# Allegro board pc069b_toplevel_18.brd (continued)
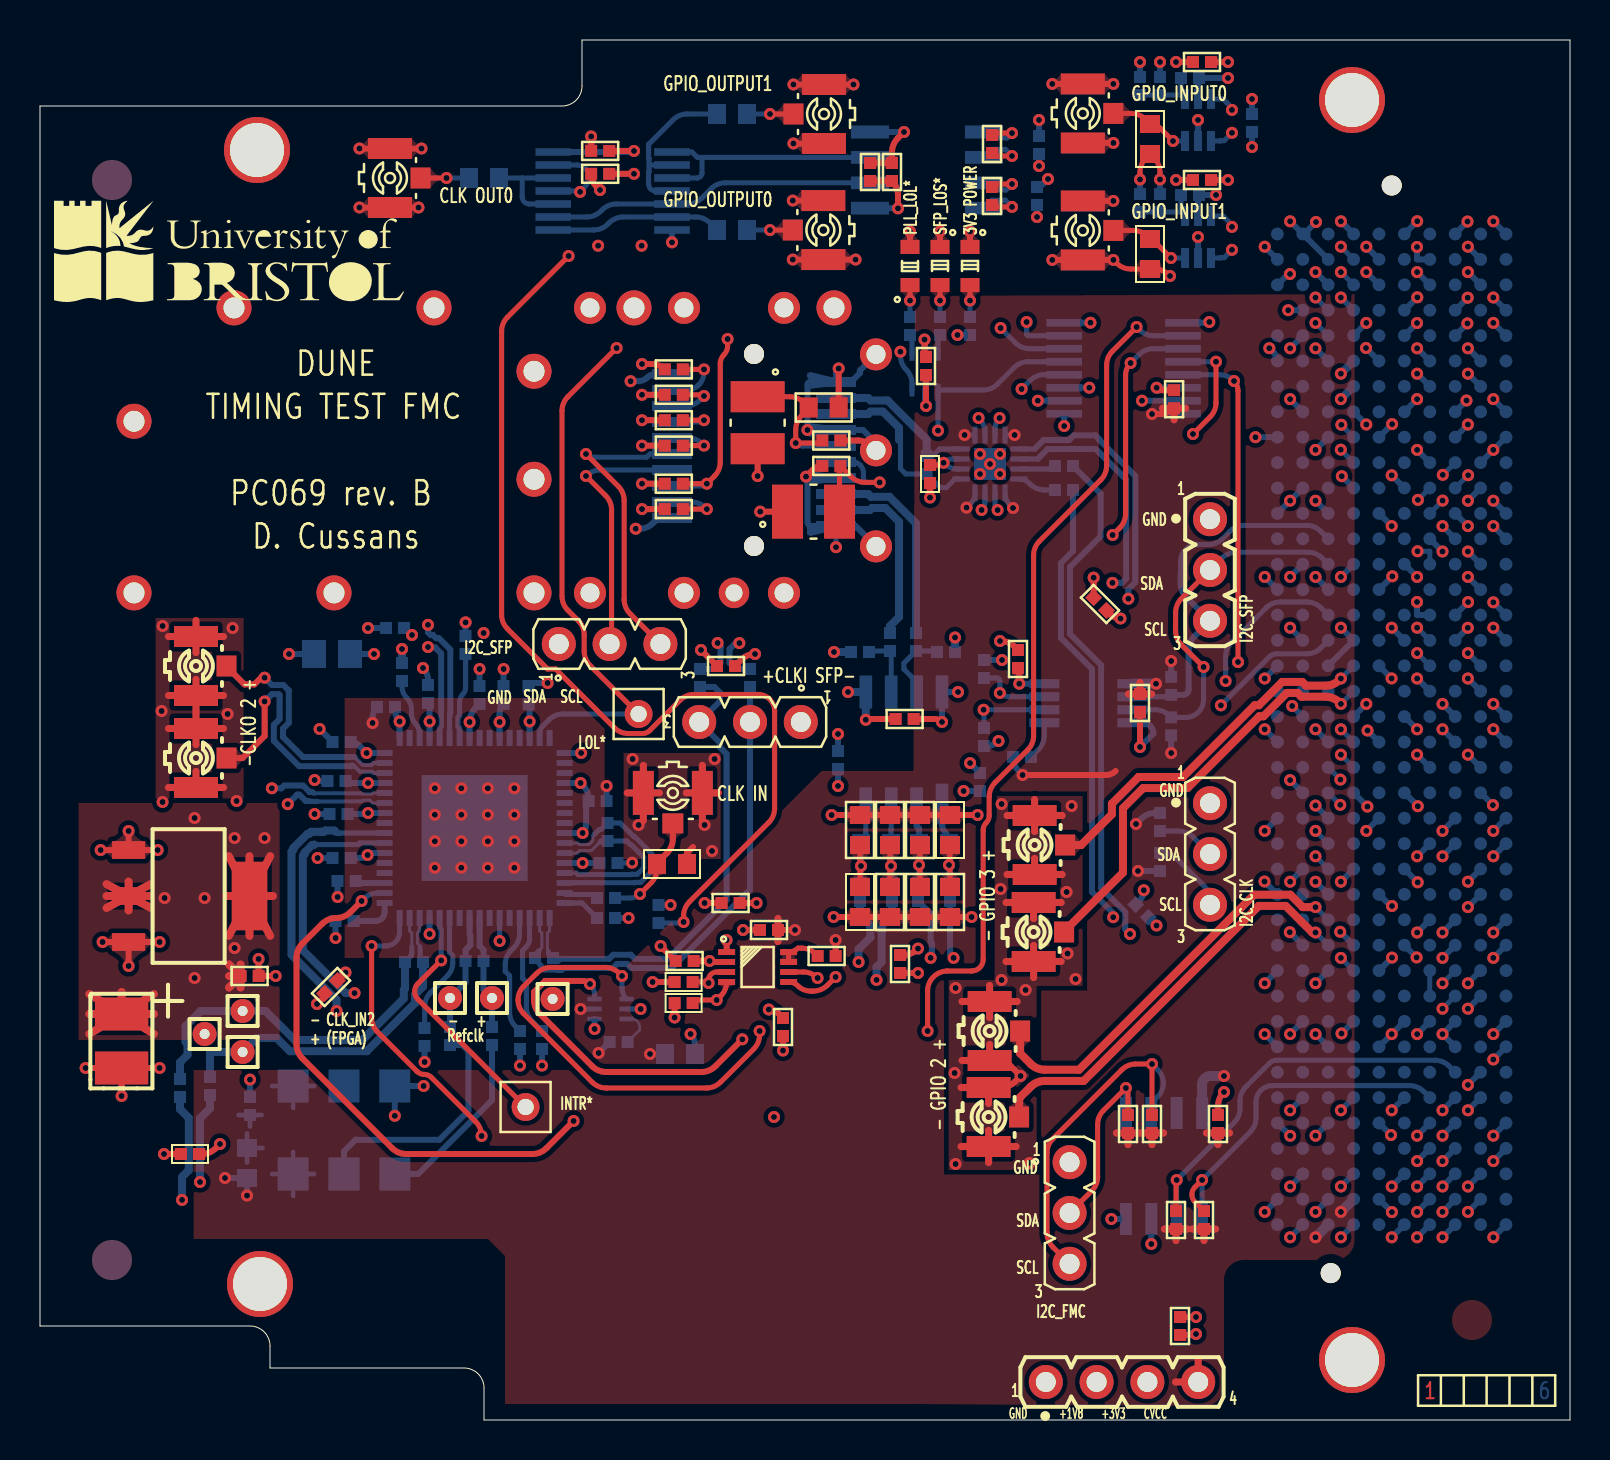
[diagram p0: board, top side]
## Routing (per net, layer and track width the routed paths; a pad name or vN(x,y) marks a point on that pad's centre or on a via; arc(x,y) is an arc through that point) (continued)
CLK0_M2C_N: length 75.6
  L4_SIGN w0.3: v1(12.39,30.79) 12.39,31.27 12.94,31.82 12.94,32.34 12.78,32.5 12.78,34.21 14.07,35.5 20,35.5 21.4,36.9 21.4,37.79 21.74,38.13 22.94,38.13 23.5,38.69 23.5,43.2 23.8,43.5 33.67,43.5 34.48,44.31 34.48,47.74 37.62,50.87 43.65,50.87 44.06,51.28 46.5,51.28 48.82,53.6 49.01,53.6 49.01,53.6 59.63,53.6 62.1,56.07 62.65,56.07 63.18,55.53 63.18,55.45 v1(63.77,54.85)
  BOTTOM w0.15: 16.05,30.93 16.07,30.93 16.12,30.98 16.19,30.98 16.21,30.99 16.48,30.99 16.63,30.85 IC3.27
  BOTTOM w0.2: 13.85,30.93 16.05,30.93
  BOTTOM w0.254: 13.85,30.93 13.85,30.93 13.52,30.93 13.45,30.93 13.44,30.95 ; P1.H5 v1(63.77,54.85)
  BOTTOM w0.3: v1(12.39,30.79) 12.86,31.27 12.97,31.27 13.29,30.95 13.44,30.95
CLK0_M2C_P: length 76.3
  L4_SIGN w0.3: v1(11.59,31.59) 12.07,31.59 12.49,32.01 12.49,32.15 12.33,32.31 12.33,34.4 13.89,35.96 19.82,35.96 20.95,37.09 20.95,37.98 21.55,38.58 22.75,38.58 23.05,38.88 23.05,43.38 23.61,43.95 33.48,43.95 34.03,44.5 34.03,47.92 37.43,51.32 43.47,51.32 43.87,51.73 46.31,51.73 48.63,54.05 59.44,54.05 61.91,56.52 62.84,56.52 63.23,56.12 v1(63.77,56.12)
  BOTTOM w0.15: 16.05,31.34 16.09,31.3 16.59,31.3 16.65,31.35 IC3.28
  BOTTOM w0.2: 13.69,31.34 16.05,31.34
  BOTTOM w0.254: 13.62,31.4 13.69,31.34 ; P1.H4 v1(63.77,56.12)
  BOTTOM w0.3: v1(11.59,31.59) 12.07,31.59 12.2,31.72 13.16,31.72 13.48,31.4 13.62,31.4
CLK1_M2C_N: length 69.1
  L4_SIGN w0.3: v1(19.4,38.65) 19.4,38.74 20.21,39.54 20.21,40.87 20.51,41.17 20.55,41.17 20.6,41.22 20.6,52.94 24.56,56.9 36.03,56.9 36.03,56.89 42,56.89 43.04,57.93 48.09,57.93 49.97,56.05 60.43,56.05 62.36,57.97 64.01,57.97 64.23,57.75 64.69,57.75 v1(65.04,57.4)
  BOTTOM w0.254: IC3.37 19.98,34.58 20.07,34.66 20.07,35.17 20.06,35.18 20.06,35.36 ; P1.G3 v1(65.04,57.4)
  BOTTOM w0.3: 20.06,35.36 20.06,38.33 19.76,38.63 19.42,38.63 v1(19.4,38.65)
CLK1_M2C_P: length 70
  L4_SIGN w0.3: v1(19.4,39.76) 19.6,39.76 19.65,39.81 19.65,41.1 20.05,41.49 20.05,53.17 24.33,57.45 36.25,57.45 36.26,57.44 41.77,57.44 42.81,58.48 48.32,58.48 50.2,56.6 60.2,56.6 62.13,58.53 64.24,58.53 64.46,58.31 64.69,58.31 v1(65.04,58.66)
  BOTTOM w0.254: IC3.38 20.48,35.17 20.49,35.18 20.49,35.3 20.52,35.32 20.52,35.36 ; P1.G2 v1(65.04,58.66)
  BOTTOM w0.3: 20.52,35.36 20.52,38.52 19.95,39.09 19.81,39.09 19.65,39.25 19.54,39.25 19.4,39.39 v1(19.4,39.76)
CLK_I2C_SEL: length 4.3
  BOTTOM w0.254: R13.1 21.28,36.64 arc(21.24,36.44) 21.13,36.28 arc(21.02,36.11) 20.98,35.91 20.98,35.22 20.9,35.14 20.9,34.66 20.98,34.58 IC3.39
CLK_IN0_N: length 1.9
  BOTTOM w0.254: C26.2 27.1,25.85 IC3.64
CLK_IN0_P: length 1.7
  BOTTOM w0.254: C23.2 27.67,26.28 26.28,26.28 26.23,26.33 IC3.63
CLK_IN1_N: length 25.2
  BOTTOM w0.15: IC3.2 24.98,24.46 25.09,24.35 25.09,23.61 24.96,23.48
  BOTTOM w0.254: 25.88,22.5 25.22,22.5 25.05,22.67 25.05,22.73 24.75,23.03 R11.1 24.75,23.27 24.96,23.48
  BOTTOM w0.3: C27.2 J3.2 35.5,26.52 31.58,22.6 29.55,22.6 29.35,22.8 28.85,22.8 28.65,22.6 26.18,22.6 26.08,22.5 25.88,22.5
CLK_IN1_P: length 24.9
  BOTTOM w0.15: IC3.1 25.48,24.46 25.37,24.35 25.37,23.5 25.42,23.45 25.42,23.44
  BOTTOM w0.254: 25.65,23.01 R11.2 25.42,23.33 25.42,23.44
  BOTTOM w0.3: 25.65,23.01 25.7,22.96 25.88,22.96 25.99,23.06 28.46,23.06 28.66,23.26 29.54,23.26 29.74,23.06 31.39,23.06 34.33,26 34.33,33.3 34,33.63 34,33.86 J3.3 34,35.94 34,36.37 33.72,36.65 C24.2
CLK_IN2_N: length 19.8
  BOTTOM w0.15: 18.59,23.65 18.59,24.35 18.48,24.46 IC3.15
  BOTTOM w0.254: 18.59,23.65 18.59,23.33 18.57,23.32 18.57,23.22 R8.2
  BOTTOM w0.4: R8.2 18.25,21.56 18.19,21.5 18.19,21.08 16.11,19 12.73,19 11.28,20.45 TP5.1 8.03,20.45 7.28,19.69 7.28,18.91 7.38,18.8 7.38,18.26 7,17.88 C28.2
CLK_IN2_P: length 17.6
  BOTTOM w0.15: 19,23.65 19,23.71 18.87,23.84 18.87,24.35 18.95,24.43 18.95,24.52 18.98,24.55 IC3.14
  BOTTOM w0.254: 19,23.65 19,23.05 R8.1
  BOTTOM w0.4: R8.1 19.15,21.67 18.75,21.27 18.75,20.85 16.34,18.44 12.5,18.44 11.83,19.1 10.83,19.1 TP4.1 8.55,18.4 8.5,18.35 C22.2
CLK_OE*: length 6.1
  BOTTOM w0.254: IC3.11 20.48,23.38 20.64,23.22 20.64,22.85 arc(20.57,22.51) 20.38,22.22 19.52,21.37 arc(19.31,21.04) 19.23,20.66 R10.1
CLK_RSTB: length 88.2
  TOP w0.254: v1(32.18,24.9) 32.18,25.2 arc(32.26,25.59) 32.47,25.91 36.44,29.88 arc(36.65,30.2) 36.73,30.58 36.73,35.45 arc(36.49,36.04) 35.9,36.28 32.7,36.28 arc(32.32,36.2) 32,35.98 30.48,34.47 arc(30.32,34.36) 30.13,34.32 29.42,34.32 arc(29.04,34.4) 28.71,34.62 25.78,37.55 25.38,37.55 23.37,39.56 arc(23.16,39.88) 23.08,40.26 23.08,54.44 arc(23.16,54.82) 23.37,55.14 v1(26.43,58.2)
  L3_SIGN w0.254: v1(49.33,54.9) 45.92,58.31 arc(45.6,58.52) 45.22,58.6 37.61,58.6 arc(37.42,58.56) 37.25,58.45 37.04,58.24 arc(36.72,58.03) 36.34,57.95 27.03,57.95 arc(26.71,58.01) v1(26.43,58.2) ; v1(22.98,23.95) 29.39,23.95 arc(29.77,24.03) 30.09,24.24 30.46,24.61 arc(30.78,24.82) 31.16,24.9 v1(32.18,24.9)
  BOTTOM w0.254: IC3.6 v1(22.98,23.95) ; 51.21,54.22 49.41,54.22 arc(49.35,54.24) 49.33,54.3 v1(49.33,54.9) ; R16.1 32.13,24.85 v1(32.18,24.9)
CLK_SCL: length 36.4
  TOP w0.254: v1(16.58,23.7) 16.58,20.11 arc(16.66,19.73) 16.87,19.41 18.85,17.43 arc(19.02,17.32) 19.21,17.28 arc(19.4,17.24) 19.57,17.13 21.79,14.91 arc(22,14.59) 22.08,14.2 v1(22.08,14.2) ; IC1.3 33.83,22.4 arc(33.55,22.28) 33.43,22 v1(33.43,21.85) 33.38,21.9 R41.2
  L3_SIGN w0.254: v1(33.43,21.85) 34.38,21.85 arc(34.41,21.84) 34.43,21.8 34.43,16.31 arc(34.35,15.93) 34.13,15.6 33.02,14.49 arc(32.7,14.28) 32.32,14.2 v1(22.08,14.2)
  BOTTOM w0.254: v1(16.58,23.7) 17.28,23.7 arc(17.78,23.9) 17.98,24.4 IC3.16
CLK_SDA: length 41.6
  TOP w0.254: IC1.4 arc(34.26,21.53) 34.04,21.21 v1(33.83,21) 32.99,21 arc(32.8,20.96) R40.2
  TOP w0.3: v1(16.08,25.95) 15.52,25.39 arc(15.2,25.18) 14.82,25.1 14.81,25.1 arc(14.43,25.02) 14.11,24.81 13.12,23.82 arc(12.9,23.49) 12.82,23.11 12.82,18.79 arc(12.9,18.41) 13.12,18.08 17.61,13.59 arc(17.93,13.38) 18.31,13.3 24.62,13.3 arc(25,13.38) 25.32,13.59 v1(26.68,14.95)
  L3_SIGN w0.254: v1(33.83,21) 33.83,16.82 arc(33.76,16.44) 33.54,16.11 32.67,15.24 arc(32.35,15.03) 31.97,14.95 v1(26.68,14.95)
  BOTTOM w0.254: IC3.18 16.89,26.35 arc(16.51,26.27) 16.19,26.06 v1(16.08,25.95)
CTRLVCC: length 0.9
  BOTTOM w0.3: P1.D32 v1(68.85,19.3)
CVCC: length 42.6
  TOP w0.3: v1(39.78,24) R1.2 ; C17.2 v1(37.75,24.5) ; v1(55.6,50.3) 56,50.3 arc(56.38,50.38) C61.2 ; v1(49.13,32.25) 53.3,32.25 arc(53.56,32.3) 53.78,32.45
  TOP w0.354: R39.2 54.98,14.35 ; R39.2 54.4,13.77 ; R39.2 53.82,14.35 ; 36.9,23.92 C17.2 36.9,25.08 ; 55.6,13.77 R103.2 ; R103.2 55.02,14.35 ; R103.2 56.18,14.35 ; 56.8,8.97 R138.2 ; R138.2 57.38,9.55 ; R138.2 56.22,9.55 ; R1328.2 58.78,9.55 ; R1328.2 58.2,8.97 ; R1328.2 57.62,9.55 ; C61.2 57.28,50.59 ; C61.2 56.13,50.59 ; C61.2 56.7,50.01 ; 56.78,1.9 J11.4 57.91,3.03 ; 54.42,36.3 C16.2 ; C16.2 55,36.88 ; C16.2 55.58,36.3 ; 58.32,14.35 C18.2 ; C18.2 59.48,14.35 ; C18.2 58.9,13.77
  BOTTOM w0.254: v1(46.33,45.62) 46.53,45.83 arc(46.69,46.07) IC4.16 ; IC4.5 v1(46.23,49.25) ; v1(48.65,45.6) 48.5,45.76 arc(48.31,46.03) IC4.13 ; IC11.5 v1(27.03,20.55) ; IC4.8 v1(48.73,49.25)
  BOTTOM w0.3: R42.2 48.65,33.14 arc(48.73,32.76) 48.94,32.44 v1(49.13,32.25) ; v1(54.8,29.8) 55.06,30.06 arc(55.38,30.27) 55.76,30.35 R242.2 ; R43.2 v1(54.9,27.45) ; v1(10.35,11.22) L3.1 v1(9.25,12.1) ; C42.2 v1(30.5,18.3) ; R142.2 v1(56.56,33.35) ; IC10.16 55.61,50.31 ; R143.2 v1(56.56,37.95) ; R61.2 v1(27.93,18.35)
  BOTTOM w0.5: P1.H40 v1(63.77,9.13) ; IC2.8 58.1,16.78 arc(58.23,17.08) 58.52,17.2 v1(59.2,17.2) ; IC15.1 v1(55.8,36.81) ; 55.61,50.31 v1(55.6,50.3) ; P1.G39 v1(65.04,10.41)
F_GPIO_OUT0_N: length 28.1
  TOP w0.254: v1(48.6,60.65) 47.75,60.65 47.65,60.75 R45.1
  L3_SIGN w0.2: v1(65.04,48.52) 64.65,48.92 64.18,48.93 63.77,49.35 62.35,49.35 60.43,51.27 60.43,51.37 60.52,51.46 60.52,55.24 56.27,59.49 50.97,59.49 50.4,60.06 50.4,60.38 49.73,61.05 49,61.05 v1(48.6,60.65)
  BOTTOM w0.254: IC8.4 47.6,60.99 48.26,60.99 v1(48.6,60.65) ; P1.G10 65.04,48.51 v1(65.04,48.52)
F_GPIO_OUT0_P: length 27.6
  TOP w0.254: v1(48.6,61.8) 47.75,61.8 R45.2
  L3_SIGN w0.2: v1(65.07,49.76) 63.99,49.76 63.96,49.8 62.54,49.8 60.88,51.46 60.88,55.39 56.42,59.85 51.12,59.85 50.76,60.21 50.76,60.53 49.88,61.41 48.99,61.41 v1(48.6,61.8)
  BOTTOM w0.254: IC8.3 47.56,61.5 48.3,61.5 v1(48.6,61.8) ; P1.G9 65.07,49.75 v1(65.07,49.76)
F_GPIO_OUT1_N: length 69
  TOP w0.254: R46.1 47.7,64.35 v1(48.6,64.35)
  L4_SIGN w0.2: v1(48.6,64.35) 48.95,64 50.5,64 51.37,63.13 55.57,63.13 55.68,63.02 66.28,63.02 66.61,63.35 71.85,63.35 74.62,60.58 74.62,33.82 72.02,31.22 65.47,31.22 v1(65.01,30.76)
  BOTTOM w0.254: P1.H23 v1(65.01,30.76) ; v1(48.6,64.35) 48.35,64.1 47.5,64.1 IC8.1
F_GPIO_OUT1_P: length 67.6
  TOP w0.254: R46.2 47.75,63.2 v1(48.6,63.2)
  L4_SIGN w0.2: v1(65.02,32.02) 65.37,31.67 71.83,31.67 74.16,34.01 74.16,60.39 71.66,62.9 66.8,62.9 66.47,62.57 55.49,62.57 55.38,62.68 51.18,62.68 50.31,63.55 48.95,63.55 v1(48.6,63.2)
  BOTTOM w0.254: IC8.2 47.6,63.53 48.27,63.53 v1(48.6,63.2) ; P1.H22 v1(65.02,32.02)
F_SFP_N: length 8.1
  BOTTOM w0.254: IC4.4 44.98,48.55 44.63,48.2 R60.1
  BOTTOM w0.4: R60.1 44.33,49.03 42.38,50.98 41.53,50.98 41.41,51.1 J4.12
F_SFP_P: length 9.2
  BOTTOM w0.254: 42.95,49 42.95,48.97 43.02,48.9 43.02,47.57 43.29,47.3 R60.2 45.01,46.62 45.32,46.62 45.75,47.05 IC4.1
  BOTTOM w0.4: J4.13 41.41,50.3 41.53,50.42 42.14,50.42 42.95,49.61 42.95,49
FMC_GA0: length 20.7
  TOP w0.254: v1(56.83,12) 56.8,11.96 R138.1
  BOTTOM w0.254: IC2.2 v1(56.83,12) 59.71,14.87 arc(59.92,15.2) 60,15.58 60,15.95 arc(60.08,16.34) 60.29,16.66 61.48,17.84 arc(61.64,17.95) 61.83,17.99 69.75,17.99 arc(70.13,17.91) 70.45,17.7 P1.C34
FMC_GA1: length 18.3
  TOP w0.254: v1(58.1,12) 57.75,11.64 arc(57.64,11.47) 57.6,11.27 arc(57.64,11.07) 57.75,10.9 R1328.1
  BOTTOM w0.254: P1.D35 69.18,16.43 arc(68.86,16.64) 68.48,16.72 61.62,16.72 arc(61.04,16.48) 60.8,15.9 60.8,15.11 arc(60.72,14.73) 60.51,14.4 v1(58.1,12) IC2.1
FMC_SCL: length 78.6
  TOP w0.254: v1(29.1,22.2) 28.97,22.33 arc(28.64,22.55) 28.26,22.63 25.54,22.63 arc(25.16,22.55) 24.83,22.33 24.18,21.68 arc(23.97,21.37) 23.9,21 arc(23.97,20.63) 24.18,20.32 27.61,16.89 arc(27.93,16.68) 28.31,16.6 33.32,16.6 arc(33.7,16.68) 34.03,16.89 35.69,18.55 arc(35.9,18.88) 35.98,19.26 v1(35.98,19.45) ; R103.1 v1(55.6,17.8) 54.79,17.8 arc(54.41,17.72) 54.09,17.51 50.64,14.06 arc(50.43,13.74) 50.35,13.36 50.35,9.35 arc(50.43,8.97) 50.64,8.65 J6.3
  L3_SIGN w0.254: v1(35.98,19.45) 39.44,19.45 arc(39.82,19.37) 40.14,19.16 40.61,18.69 arc(40.93,18.48) 41.31,18.4 54.59,18.4 arc(54.97,18.32) 55.29,18.11 v1(55.6,17.8) 57.19,17.8 arc(57.57,17.88) 57.89,18.09 60.71,20.91 arc(61.03,21.12) 61.41,21.2 69.08,21.2 arc(69.46,21.28) 69.78,21.49 v1(70.12,21.84)
  BOTTOM w0.254: v1(55.6,17.8) 55.9,17.5 arc(56.1,17.2) 56.17,16.84 arc(56.1,16.48) 55.9,16.18 55.86,16.14 arc(55.64,15.82) 55.56,15.44 IC2.6 ; v1(29.1,22.2) 29.1,21.61 arc(29.16,21.3) IC11.1 ; P1.C30 v1(70.12,21.84)
FMC_SDA: length 65.7
  TOP w0.254: J6.2 52.59,11.46 arc(52.8,11.78) 52.88,12.16 52.88,14.77 arc(52.96,15.15) 53.17,15.48 v1(54.29,16.6) 54.4,16.49 R39.1
  TOP w0.3: v1(35.11,19.04) 33.77,17.69 arc(33.45,17.48) 33.07,17.4 28.31,17.4 arc(27.93,17.48) 27.61,17.69 24.98,20.32 arc(24.77,20.63) 24.7,21 24.7,21.4 25.26,21.95 27.13,21.95 arc(27.33,21.91) v1(27.5,21.8)
  L3_SIGN w0.254: v1(70.12,20.57) 62.08,20.57 arc(61.7,20.49) 61.37,20.27 57.99,16.89 arc(57.67,16.68) 57.29,16.6 v1(54.29,16.6) 37.36,16.6 arc(36.98,16.68) 36.65,16.89 35.41,18.14 arc(35.19,18.46) 35.11,18.84 v1(35.11,19.04)
  BOTTOM w0.254: P1.C31 v1(70.12,20.57) ; v1(54.29,16.6) IC2.5 ; IC11.6 27.73,21.25 arc(27.67,21.55) v1(27.5,21.8)
FPGA_CLK_RST: length 65.7
  TOP w0.254: v1(54.83,54.65) 53.62,53.44 arc(53.41,53.12) 53.33,52.74 53.33,47.71 arc(53.25,47.33) 53.04,47.01 49.97,43.94 arc(49.76,43.62) 49.68,43.24 49.68,34.21 arc(49.6,33.83) 49.39,33.51 47.75,31.87 arc(47.54,31.55) 47.46,31.16 47.46,30.22 arc(47.42,30.03) 47.31,29.86 arc(47.2,29.69) 47.16,29.5 47.16,23.03 arc(46.99,22.62) 46.58,22.45 45.38,22.45 arc(44.67,22.16) 44.38,21.45 v1(44.38,19.45)
  L3_SIGN w0.254: v1(44.38,19.45) 57.17,19.45 arc(57.55,19.53) 57.87,19.74 60.94,22.81 arc(61.27,23.03) 61.65,23.11 v1(65.04,23.11)
  BOTTOM w0.254: P1.G30 v1(65.04,23.11) ; 57.15,54.22 55.68,54.22 arc(55.3,54.29) 54.97,54.51 v1(54.83,54.65)
FPGA_CLK_SCL: length 47.6
  TOP w0.254: IC1.6 38.17,22.4 arc(38.55,22.32) 38.87,22.11 v1(38.88,22.1)
  L3_SIGN w0.254: v1(38.88,22.1) 40.17,20.81 arc(40.5,20.59) 40.88,20.52 53.05,20.52 arc(53.24,20.55) 53.4,20.66 J8.3 59.61,26.87 arc(59.82,27.19) 59.9,27.57 59.9,35.92 arc(59.82,36.3) 59.61,36.62 v1(59.28,36.95)
  BOTTOM w0.254: P1.H16 64.05,40.61 arc(63.73,40.82) 63.35,40.9 62.01,40.9 arc(61.63,40.82) 61.31,40.61 59.57,38.87 arc(59.36,38.55) 59.28,38.17 v1(59.28,36.95) ; R43.1 56.14,28.35 arc(56.52,28.27) 56.85,28.06 58.21,26.7 arc(58.42,26.37) 58.5,25.99 J8.3
FPGA_CLK_SDA: length 44
  TOP w0.254: v1(39.78,22.15) 39.37,21.74 arc(39.04,21.52) 38.66,21.45 38.53,21.45 arc(38.19,21.51) 37.9,21.71 arc(37.68,21.85) IC1.5
  L3_SIGN w0.254: v1(59.05,35.73) 57.66,34.35 arc(57.45,34.03) 57.37,33.64 57.37,29.84 arc(57.45,29.46) 57.66,29.14 J8.2 56.92,26.72 arc(56.71,26.4) 56.63,26.02 56.63,25.04 arc(56.55,24.65) 56.34,24.33 53.22,21.21 arc(52.9,21) 52.52,20.92 41.42,20.92 arc(41.04,21) 40.72,21.21 v1(39.78,22.15)
  BOTTOM w0.254: R242.1 56.94,29.45 arc(57.32,29.37) 57.64,29.16 J8.2 ; v1(59.05,35.73) 61.48,38.16 arc(61.64,38.27) 61.83,38.31 63.33,38.31 arc(63.72,38.39) 64.04,38.6 64.41,38.97 P1.H17
FPGA_SFP_LOS: length 20.6
  TOP w0.254: v1(57.65,49.3) 58.51,50.16 arc(58.72,50.48) 58.8,50.86 v1(58.8,52.91)
  L3_SIGN w0.254: v1(57.65,49.3) 63.22,43.73 arc(63.54,43.51) 63.93,43.44 v1(68.88,43.44)
  BOTTOM w0.254: P1.D14 69.49,43.43 arc(69.49,43.43) 69.48,43.44 v1(68.88,43.44) ; IC10.12 v1(58.8,52.91)
FPGA_SFP_SCL: length 18.8
  BOTTOM w0.254: P1.H13 64.03,44.44 arc(63.71,44.65) 63.32,44.73 60.2,44.73 arc(59.82,44.65) 59.49,44.44 59.12,44.06 arc(58.8,43.85) 58.41,43.77 57.87,43.77 arc(57.28,43.52) 57.03,42.93 57.03,42.3 ; IC15.2 56.46,36.16 R143.1
  BOTTOM w0.3: 57.03,42.3 57.03,41.84 arc(57.11,41.46) 57.32,41.14 J10.3 57.72,39.18 arc(57.51,38.86) 57.43,38.48 57.43,36.53 arc(57.35,36.34) 57.16,36.26 R143.1
FPGA_SFP_SDA: length 18.3
  TOP w0.254: J10.2 57.07,41.07 arc(56.86,40.75) 56.78,40.37 56.78,39.46 arc(56.86,39.08) 57.07,38.76 v1(58.18,37.65)
  BOTTOM w0.254: P1.H14 64.1,43.1 arc(63.78,43.31) 63.4,43.39 59.8,43.39 arc(59.42,43.31) 59.1,43.1 J10.2 ; v1(58.18,37.65) 58.18,36.03 arc(57.92,35.39) 57.28,35.13 R142.1 56.47,35.22 arc(56.14,35.44) 55.76,35.51 IC15.3
FPGA_SFP_TX_DIS: length 29.7
  TOP w0.254: v1(53.63,44.25) 53.99,44.61 arc(54.2,44.93) 54.28,45.31 54.28,52.25 arc(54.34,52.57) v1(54.53,52.85)
  L3_SIGN w0.254: v1(53.63,44.25) 56.22,41.66 arc(56.54,41.45) 56.92,41.37 66.68,41.37 arc(67.07,41.29) 67.39,41.08 v1(68.85,39.62)
  BOTTOM w0.254: P1.D17 v1(68.85,39.62) ; IC10.11 55.66,53.56 arc(55.28,53.49) 54.95,53.27 v1(54.53,52.85)
FPGA_SFP_TX_FLT: length 26.7
  TOP w0.254: v1(59.9,37.9) 59.9,51.47 arc(59.85,51.73) v1(59.7,51.95)
  L3_SIGN w0.254: v1(68.85,38.34) 60.76,38.34 arc(60.38,38.27) 60.05,38.05 v1(59.9,37.9)
  BOTTOM w0.254: v1(59.7,51.95) 59.68,51.97 arc(59.35,52.19) 58.97,52.27 IC10.13 ; P1.D18 v1(68.85,38.34)
GPIO_IN0_N: length 29.6
  L3_SIGN w0.2: v1(71.41,47.24) 71.01,47.64 71.01,48.13 70.73,48.41 70.73,61.47 68.1,64.1 64.81,64.1 63.75,65.16 59.94,65.16 v1(59.6,65.5)
  BOTTOM w0.254: IC6.6 59.15,66.05 59.6,65.6 v1(59.6,65.5) ; v1(71.41,47.24) 71.4,47.24 P1.C11
GPIO_IN0_P: length 28.6
  L3_SIGN w0.2: v1(59.6,64.36) 59.94,64.7 63.56,64.7 64.62,63.64 67.91,63.64 70.28,61.28 70.28,48.22 70.55,47.94 70.55,47.66 v1(70.14,47.26)
  BOTTOM w0.254: v1(59.6,64.36) 59.21,63.97 59.02,63.97 59,63.95 IC6.1 ; P1.C10 70.15,47.26 v1(70.14,47.26)
GPIO_IN1_N: length 26.5
  L3_SIGN w0.2: v1(59.6,59.65) 59.94,59.31 60.46,59.31 62.09,60.94 66.06,60.94 67.85,59.15 67.85,51.19 68.7,50.34 68.7,49.13 68.3,48.73 68.3,48.28 68.63,47.95 68.66,47.95 69.75,46.86 69.75,46.35 v1(70.13,45.97)
  BOTTOM w0.254: v1(59.6,59.65) 59.6,59.75 59.15,60.2 IC7.6 ; v1(70.13,45.97) P1.D12
GPIO_IN1_P: length 25.6
  L3_SIGN w0.2: v1(68.89,46.01) 69.3,46.41 69.3,46.68 68.47,47.5 68.44,47.5 67.85,48.09 67.85,48.92 68.25,49.32 68.25,50.15 67.4,51 67.4,58.96 65.87,60.49 62.28,60.49 60.64,58.85 59.94,58.85 v1(59.6,58.51)
  BOTTOM w0.254: v1(59.6,58.51) 59.21,58.12 59.02,58.12 59,58.1 IC7.1 ; v1(68.89,46.01) P1.D11
GPIO_IO2_N: length 21.1
  TOP w0.4: v1(63.77,24.38) 63.61,24.38 62.28,25.7 60.93,25.7 52.19,16.95 50.24,16.95 arc(49.86,16.88) 49.53,16.66 48.95,16.08 48.95,15.15
  BOTTOM w0.254: P1.H29 v1(63.77,24.38)
GPIO_IO2_P: length 21
  TOP w0.4: J2.1 49,18.34 49.53,17.81 arc(49.86,17.59) 50.24,17.51 51.95,17.51 60.7,26.26 62.52,26.26 63.13,25.64 v1(63.77,25.64)
  BOTTOM w0.254: P1.H28 v1(63.77,25.64)
GPIO_IO3_N: length 21.8
  TOP w0.4: v1(65.04,35.8) 64.98,35.87 arc(64.65,36.09) 64.27,36.16 63.07,36.16 62.88,36.35 62.34,36.35 61.17,35.19 60.96,35.19 57.38,31.6 55.16,31.6 54.15,30.59 54.15,27.37 51.2,24.43 J15.1
  BOTTOM w0.254: P1.G19 v1(65.04,35.8)
GPIO_IO3_P: length 18.6
  TOP w0.4: v1(65.04,37.08) 64.98,37.01 arc(64.65,36.79) 64.27,36.72 63.3,36.72 63.11,36.9 62.11,36.9 60.95,35.74 60.74,35.74 57.15,32.15 54.93,32.15 53.6,30.82 53.6,30.29 52.06,28.75 J14.1
  BOTTOM w0.254: P1.G18 v1(65.04,37.08)
IN_SEL0: length 6.1
  BOTTOM w0.254: IC3.3 24.48,24.07 arc(24.43,23.84) 24.31,23.65 24.13,23.47 24.13,22.08 24.32,21.89 24.32,20.65 arc(24.39,20.26) 24.61,19.94 R17.2
IN_SEL1: length 6.1
  BOTTOM w0.254: IC3.4 23.98,24.31 arc(23.9,23.93) 23.69,23.61 23.53,23.45 arc(23.33,23.15) 23.26,22.81 23.26,22.43 23.48,22.21 23.48,20.38 arc(23.56,20) 23.77,19.68 R19.2
M2C_SFP_DATA_N: length 43.9
  L4_SIGN w0.3: v1(63.77,28.18) 63.42,28.54 62.03,28.54 60.65,27.16 60.65,23.96 58.68,22 54.3,22 53.67,22.62 53.67,23.44 54.5,24.27 v1(54.5,24.3)
  BOTTOM w0.254: P1.H26 v1(63.77,28.18)
  BOTTOM w0.3: v1(54.5,24.3) 54.26,24.54 54.26,25.39 53.06,26.59 53.06,37.74 51.5,39.3 51.5,42.65 53.03,44.18 53.03,46.32 R59.2
M2C_SFP_DATA_P: length 41.7
  L4_SIGN w0.3: v1(53.66,25.14) 53.92,24.88 54.74,24.88 55.08,24.54 55.08,24.06 54.22,23.21 54.22,22.85 54.52,22.55 58.45,22.55 60.09,24.19 60.09,27.39 61.8,29.1 63.42,29.1 v1(63.77,29.45)
  BOTTOM w0.254: v1(63.77,29.45) P1.H25
  BOTTOM w0.3: v1(53.66,25.14) 53.66,25.34 52.6,26.4 52.6,37.55 51.04,39.11 51.04,42.84 51.65,43.45 R58.2
OSC_CLK_N: length 5.9
  BOTTOM w0.3: C25.2 TP2.1 21.28,21.88 R7.2 21.28,23.5 21.52,23.74 21.52,24.22 21.48,24.26 IC3.9
OSC_CLK_P: length 5.7
  BOTTOM w0.3: C21.2 TP1.1 22.18,21.52 R7.1 22.18,23.5 21.98,23.7 IC3.8
PLL_INTR*: length 12.3
  TOP w0.254: TP9.1 18.89,21.04 arc(18.77,21.22) 18.73,21.43 arc(18.77,21.63) 18.89,21.81 v1(20.06,22.98)
  BOTTOM w0.254: IC3.12 19.98,24.62 20.06,24.54 v1(20.06,22.98)
PLL_LOL*: length 45
  TOP w0.254: v1(28.83,53.6) 26.39,51.16 arc(26.18,50.84) 26.1,50.46 26.1,41.19 arc(26.18,40.81) 26.39,40.49 26.92,39.96 arc(27.13,39.64) 27.21,39.26 27.21,38.43 arc(27.29,38.05) 27.5,37.73 TP10.1
  L3_SIGN w0.254: v1(28.83,53.6) 33.53,53.6 arc(33.91,53.52) 34.24,53.31 34.98,52.56 arc(35.3,52.35) 35.69,52.27 35.71,52.27 arc(36.1,52.35) 36.42,52.56 36.99,53.13 arc(37.31,53.35) 37.7,53.42 39.72,53.42 arc(40.1,53.35) 40.42,53.13 41.06,52.49 arc(41.38,52.28) 41.77,52.2 42.41,52.2 arc(42.84,52.38) 43.02,52.81 v1(43.02,53.41)
  BOTTOM w0.254: v1(43.02,53.41) 43.02,53.22 arc(43.1,52.84) 43.31,52.52 arc(43.52,52.2) 43.6,51.82 IC18.3 ; IC3.47 24.98,34.34 arc(25.02,34.53) 25.13,34.69 25.44,35.01 arc(25.77,35.22) 26.15,35.3 TP10.1
PLL_ZDM_CLK_N: length 11.1
  BOTTOM w0.15: IC3.58 26.88,28.85 26.96,28.77 27.45,28.77 27.64,28.96 27.64,29.21 27.71,29.27 ; IC3.62 26.71,26.85
  BOTTOM w0.254: 27.71,29.27 27.96,29.53 28.06,29.53 R18.1 29.01,29.85 29.69,29.17 29.73,29.17 30.59,28.31 30.59,27.44 30.03,26.88 29.76,26.88 29.75,26.86 26.72,26.86 26.71,26.85
PLL_ZDM_CLK_P: length 9.2
  BOTTOM w0.15: IC3.61 26.81,27.35 ; 28,28.89 27.57,28.47 26.98,28.47 26.86,28.35 IC3.59
  BOTTOM w0.254: 28,28.89 28.05,28.95 R18.2 29.34,28.95 29.52,28.76 29.56,28.76 30.19,28.14 30.19,27.61 29.86,27.29 29.59,27.29 29.58,27.27 26.89,27.27 26.81,27.35
S_CLK_IN: length 5.4
  TOP w0.25: v1(30,26.3) 30.56,26.86 arc(30.77,27.18) 30.85,27.56 R27.2
  TOP w0.3: R27.2 30.85,27.85 31.35,28.35 arc(31.57,28.67) 31.64,29.06 PX1.1
  BOTTOM w0.25: C23.1 29.52,26.1 arc(29.78,26.15) v1(30,26.3)
S_GPIO_IN0: length 4.1
  TOP w0.25: v1(56.65,63.95) 56.01,64.59 arc(55.78,64.74) R30.2 55.26,65.04 arc(54.94,65.25) 54.56,65.33 PX2.1
  BOTTOM w0.25: v1(56.65,63.95) IC6.3
S_GPIO_IN1: length 4.1
  TOP w0.25: v1(56.55,58.1) 55.6,59.05 R31.2 55.36,59.19 arc(55.04,59.4) 54.66,59.48 PX3.1
  BOTTOM w0.25: v1(56.55,58.1) IC7.3
SFP2PLL_DATA_N: length 36.2
  L4_SIGN w0.3: v1(54.42,41.06) 53.94,41.06 52.71,39.83 35.64,39.83 35.59,39.78 35.59,39.78 35.25,39.44 35.25,39.44 34.97,39.15 v1(34.97,38.85)
  BOTTOM w0.254: IC4.9 49.73,48.55
  BOTTOM w0.3: v1(54.42,41.06) 54.42,41.54 54.76,41.88 54.76,47.21 52.97,49 52.97,49.04 52.77,49.23 51.69,49.23 51.46,49 50.18,49 49.73,48.55 ; C27.1 34.78,37.55 34.48,37.85 34.48,38.55 34.78,38.85 v1(34.97,38.85)
SFP2PLL_DATA_P: length 35.6
  L4_SIGN w0.3: v1(33.88,38.85) 33.88,39.16 35,40.28 52.52,40.28 53.62,41.38 v1(53.62,41.86)
  BOTTOM w0.254: 49.88,48.05 IC4.10
  BOTTOM w0.3: v1(33.88,38.85) 34.02,38.71 34.02,38.65 34.02,37.85 33.72,37.55 C24.1 ; 49.88,48.05 50.38,48.55 51.64,48.55 51.65,48.55 52.78,48.55 54.31,47.02 54.31,42.07 54.1,41.86 v1(53.62,41.86)
SFP_LOS: length 24
  TOP w0.254: 32.14,51.26 33.14,51.26 v1(33.2,51.2)
  L3_SIGN w0.254: v1(44.9,49.47) 44.64,49.47 arc(44.26,49.55) 43.94,49.76 42.79,50.91 arc(42.47,51.12) 42.09,51.2 v1(33.2,51.2)
  BOTTOM w0.254: J4.8 32.29,50.7 arc(32.67,50.78) 32.99,50.99 v1(33.2,51.2) ; v1(44.9,49.47) IC18.1 47.17,51.5 arc(47.55,51.58) 47.87,51.79 48.7,52.62 arc(49.03,52.84) 49.41,52.91 IC10.5
SFP_SCL: length 48.7
  TOP w0.254: v1(27.3,48.3) 28.91,46.69 arc(29.13,46.36) 29.21,45.98 29.21,41.03 arc(29.28,40.64) 29.5,40.32 J5.3
  L3_SIGN w0.254: v1(47.99,36.35) 47.52,36.82 arc(47.31,37.14) 47.23,37.53 47.23,41.06 arc(47.15,41.44) 46.94,41.76 46.39,42.31 arc(46.07,42.53) 45.68,42.6 30.59,42.6 arc(30.21,42.68) 29.89,42.89 28.69,44.09 arc(28.48,44.41) 28.4,44.79 28.4,46.79 arc(28.32,47.17) 28.11,47.49 v1(27.3,48.3)
  BOTTOM w0.254: J4.5 30.5,48.3 30.34,48.14 27.68,48.14 arc(27.48,48.18) v1(27.3,48.3) ; 50.21,36.16 48.44,36.16 arc(48.2,36.21) v1(47.99,36.35) 47.99,36.95 arc(47.95,37.06) 47.85,37.1 R411.2
SFP_SDA: length 44.2
  TOP w0.254: v1(27.3,47.2) 28.29,46.21 arc(28.5,45.89) 28.58,45.51 28.58,38.9 J5.2
  L3_SIGN w0.254: v1(47.18,35.51) 46.94,35.75 arc(46.73,36.07) 46.65,36.46 46.65,36.74 arc(46.57,37.12) 46.36,37.44 44.19,39.61 arc(43.87,39.82) 43.49,39.9 31.94,39.9 arc(31.56,39.98) 31.24,40.19 27.59,43.84 arc(27.38,44.16) 27.3,44.54 v1(27.3,47.2)
  BOTTOM w0.254: 50.21,35.51 v1(47.18,35.51) 47.2,35.49 R140.2 ; v1(27.3,47.2) 27.31,47.21 arc(27.63,47.42) 28.01,47.5 J4.4
SFP_TX_DISABLE: length 28.7
  TOP w0.254: v1(34.38,54.05) 34.38,53.71 arc(34.33,53.47) 34.2,53.26 arc(34.06,53.06) 34.01,52.82 34.01,47.9 arc(33.94,47.52) 33.72,47.19 v1(33.34,46.81) 32.14,46.81
  L3_SIGN w0.254: v1(48.03,54.6) 47.17,53.74 arc(46.84,53.52) 46.46,53.45 44.19,53.45 arc(44,53.48) 43.84,53.59 43.28,54.15 arc(42.96,54.37) 42.58,54.44 35.65,54.44 arc(35.4,54.39) 35.18,54.25 arc(34.96,54.1) 34.71,54.05 v1(34.38,54.05)
  BOTTOM w0.254: v1(48.03,54.6) 48.77,53.86 arc(49.1,53.64) 49.48,53.56 IC10.6 ; v1(33.34,46.81) 33.23,46.7 J4.3
SFP_TX_FAULT: length 23.7
  TOP w0.254: 32.14,45.55 v1(33.34,45.55)
  L3_SIGN w0.254: v1(49.08,51.55) 47.98,51.55 arc(47.59,51.47) 47.27,51.26 45.48,49.47 45.48,49.23 42.54,46.29 arc(42.21,46.07) 41.83,46 34.21,46 arc(33.83,45.92) 33.5,45.7 v1(33.34,45.55)
  BOTTOM w0.254: v1(33.34,45.55) 33.28,45.61 arc(32.96,45.82) 32.57,45.9 J4.2 ; IC10.4 50.21,52.27 arc(49.83,52.19) 49.5,51.97 v1(49.08,51.55)
T_DIFF_UFL_CLK_N: length 13.6
  TOP w0.3: v1(11.23,35.93) 11.23,34.2 10.13,33.1 J13.1
  BOTTOM w0.2: 15.62,32.72 15.69,32.72 15.99,32.42 16.62,32.42 16.68,32.35 IC3.30
  BOTTOM w0.3: v1(11.23,35.93) 11.59,36.29 11.93,36.29 11.98,36.24 11.98,35.05 11.69,34.76 11.69,33.96 12.96,32.69 15.57,32.69 15.6,32.72 15.62,32.72
T_DIFF_UFL_CLK_P: length 12.1
  TOP w0.3: v1(11.23,37.12) 11.05,37.12 10.72,36.78 10.22,36.78 9.32,37.67 J12.1
  BOTTOM w0.2: IC3.31 16.68,32.85 16.58,32.75 16.13,32.75 15.73,33.15
  BOTTOM w0.3: v1(11.23,37.12) 11.59,36.75 12.17,36.75 12.44,36.48 12.44,34.86 12.15,34.57 12.15,34.15 13.15,33.15 15.73,33.15
T_FFD_CLK_N: length 47.9
  L4_SIGN w0.4: v1(40.93,22.9) 40.93,22.57 40.41,22.04 40.41,18.98 38.22,16.8 28.2,16.8 25.59,19.42 17.28,19.42 15.73,20.97 v1(15.73,21.35)
  BOTTOM w0.254: 13.71,28.77 15.91,28.77 15.99,28.85 IC3.23
  BOTTOM w0.4: C38.1 41,25.32 41.28,25.04 arc(41.46,24.78) 41.52,24.47 41.52,24.13 40.93,23.54 v1(40.93,22.9) ; 13.71,28.77 13.7,28.75 13.61,28.75 13.23,28.37 13.23,28.28 13.14,28.2 13.14,23.49 15.28,21.35 v1(15.73,21.35)
T_FFD_CLK_P: length 51.3
  L4_SIGN w0.4: v1(14.83,20.45) 15.32,20.45 17.01,18.76 25.32,18.76 27.93,16.15 38.5,16.15 41.06,18.71 41.06,21.77 41.29,22 v1(41.83,22)
  BOTTOM w0.254: IC3.24 15.03,29.35 15.02,29.34 14.88,29.34 14.81,29.41 14.78,29.41
  BOTTOM w0.4: v1(41.83,22) 41.83,22.65 42.08,22.9 42.08,24.44 arc(42.15,24.77) 42.34,25.06 42.6,25.32 C7.1 ; 14.78,29.41 14.71,29.48 14.26,29.48 14.2,29.41 14.03,29.41 13.56,29.41 13.46,29.31 13.38,29.31 12.67,28.6 12.67,28.52 12.58,28.43 12.58,23.26 14.83,21.01 v1(14.83,20.45)
T_MCX_CLK0: length 34.2
  L4_SIGN w0.4: v1(27,61.41) 23.45,61.41 arc(23.07,61.33) 22.74,61.11 17.95,56.32 arc(17.73,56) 17.66,55.61 17.66,39.41 arc(17.73,39.02) 17.95,38.7 v1(18.1,38.55)
  BOTTOM w0.254: IC9.11 26.96,61.45 v1(27,61.41) 27.19,61.59 arc(27.37,61.86) 27.43,62.17 arc(27.26,62.58) 26.85,62.75 IC9.13
  BOTTOM w0.4: R26.2 v1(18.1,38.55)
T_SFP_N: length 9.2
  BOTTOM w0.4: C2.2 42.5,39.7 42.95,40.15 42.95,44.91 42.26,45.6 41.6,45.6 41.5,45.5 J4.19
T_SFP_P: length 10.1
  BOTTOM w0.4: C39.2 43.8,44.84 42.48,46.16 41.55,46.16 41.41,46.3 J4.18
UNNAMED_2_CON400P40ABCDEFGHJK_I: length 1.3
  BOTTOM w0.254: P1.D30 P1.D31
UNNAMED_2_PCA9306_I276_EN: length 2.1
  TOP w0.254: R1.1 38.78,23.3 arc(38.45,23.52) 38.07,23.59 37.9,23.59 arc(37.68,23.45) IC1.8 IC1.7
UNNAMED_2_PCA9517_I162_EN: length 1.9
  BOTTOM w0.254: 50.21,34.86 50.21,34.23 arc(50.14,33.85) 49.92,33.52 R42.1
UNNAMED_2_RSMD0402_I314_A: length 1.9
  BOTTOM w0.127: IC11.3 29.57,20.05 arc(29.87,19.93) 29.99,19.63 29.99,19.51 R61.1
UNNAMED_3_CAPCERSMDCL2_I325_B: length 6.2
  TOP w0.254: R4.1 45.5,27.8 v1(45.45,27.75) 45.5,27.7 R12.2
  BOTTOM w0.254: C1.2 45.45,26.9 v1(45.45,27.75) R2.1
  BOTTOM w0.3: U1.1 45.1,29.78 arc(45.15,29.56) 45.27,29.36 arc(45.4,29.17) 45.45,28.94 R2.1
UNNAMED_3_CAPCERSMDCL2_I331_A: length 3.1
  BOTTOM w0.254: R5.2 41.5,38.45 C2.1 42.56,38.39 U1.6
UNNAMED_3_CAPCERSMDCL2_I332_A: length 3.6
  BOTTOM w0.254: U1.7 43.83,36.49 arc(43.75,36.88) 43.54,37.2 43.2,37.54 43.2,37.85 C39.1 44.8,38.45 R6.2
UNNAMED_3_CAPCERSMDCL2_I337_B: length 6.2
  TOP w0.254: R54.2 44,27.7 v1(43.95,27.75) 44,27.8 R53.1
  BOTTOM w0.254: C8.2 43.95,26.9 v1(43.95,27.75) R2.2
  BOTTOM w0.3: U1.2 43.83,29.7 43.95,29.58 R2.2
UNNAMED_3_CAPCERSMDCL2_I346_B: length 6.2
  TOP w0.254: R55.1 41,27.75 v1(41.05,27.7) 41,27.65 R57.2
  BOTTOM w0.254: C38.2 41.05,26.9 v1(41.05,27.7) R3.1 arc(41.23,29.07) 41.29,29.38 U1.4
UNNAMED_3_CAPCERSMDCL2_I349_B: length 6.1
  TOP w0.254: R34.1 42.5,27.75 v1(42.55,27.7) 42.5,27.65 R52.2
  BOTTOM w0.254: U1.3 42.56,29.56 42.55,29.55 R3.2 v1(42.55,27.7) 42.6,27.65 C7.2
UNNAMED_4_CAPCERSMDCL2_I119_A: length 9.1
  BOTTOM w0.3: QZ1.4 18.91,12.3 22.6,15.99 C21.1
UNNAMED_4_CAPCERSMDCL2_I120_A: length 12.2
  BOTTOM w0.3: QZ1.5 15.2,13.43 15.78,14.01 19.97,14.01 21.42,15.46 21.42,18.44 21.11,18.75 C25.1
UNNAMED_4_RSMD0402_I49_A: length 2.3
  BOTTOM w0.3: R20.1 16.78,24.95 arc(17.1,25.08) 17.23,25.4 IC3.17
UNNAMED_4_RSMD0402_I50_A: length 1.5
  BOTTOM w0.3: IC3.19 15.88,26.85 R21.1
UNNAMED_4_RSMD0402_I123_A: length 3.1
  BOTTOM w0.254: R26.1 18.1,36.68 arc(18.16,36.37) 18.34,36.11 arc(18.51,35.84) 18.57,35.53 18.57,35.3 arc(18.63,35.03) 18.78,34.81 arc(18.93,34.59) 18.98,34.32 IC3.35
UNNAMED_5_74LCX04_I304_Y: length 5.4
  BOTTOM w0.254: 24.11,62.1 R47.1 ; 24.11,62.1 24.11,61.16 arc(24.21,60.9) 24.47,60.8 IC9.10 ; 24.11,62.1 IC9.12
UNNAMED_5_74LCX04_I317_A: length 12.4
  BOTTOM w0.254: IC9.1 32.6,63.4 32.87,63.13 33.1,63.13 ; 33.1,63.13 33.1,62.35 arc(33.03,62.17) 32.85,62.1 IC9.3 ; 33.1,63.13 IC8.7
UNNAMED_5_74LCX04_I317_Y: length 8.5
  BOTTOM w0.254: R49.1 32.36,65.3 arc(31.98,65.22) 31.65,65.01 30.43,63.79 30.43,63.09 30.46,63.07 30.46,62.75 ; IC9.4 30.78,61.45 arc(30.53,61.55) 30.43,61.79 30.43,62.41 30.46,62.43 30.46,62.75 ; 30.46,62.75 IC9.2
UNNAMED_5_74LCX04_I323_A: length 16.4
  BOTTOM w0.254: IC9.9 27.34,60.15 arc(27.72,60.23) 28.04,60.44 28.11,60.51 arc(28.43,60.72) 28.81,60.8 IC9.5 32.38,60.8 arc(32.76,60.88) 33.09,61.09 33.56,61.57 arc(33.89,61.78) 34.27,61.86 IC8.6
UNNAMED_5_74LCX04_I323_Y: length 8.6
  BOTTOM w0.254: R48.1 33.49,59.86 arc(33.17,60.07) 32.79,60.15 IC9.6 29.16,60.15 arc(28.78,60.07) 28.46,59.86 28.39,59.79 arc(28.07,59.58) 27.69,59.5 IC9.8
UNNAMED_5_ADCMP604_I285_: length 3.2
  BOTTOM w0.254: R35.1 57.05,66.25 ; 57.05,66.25 IC6.4 ; 57.05,66.25 C52.2 R36.2
UNNAMED_5_ADCMP604_I294_: length 3.2
  BOTTOM w0.254: 57.05,60.4 C53.2 R38.2 ; 57.05,60.4 IC7.4 ; 57.05,60.4 R37.1
UNNAMED_5_PCOAX_I312_A: length 2.4
  TOP w0.254: PX4.1 v1(20.32,62.1)
  BOTTOM w0.254: R47.2 v1(20.32,62.1)
UNNAMED_5_PCOAX_I315_A: length 2.3
  TOP w0.254: v1(36.5,65.3) PX6.1
  BOTTOM w0.254: v1(36.5,65.3) R49.2
UNNAMED_5_PCOAX_I321_A: length 2.3
  TOP w0.254: PX5.1 v1(36.5,59.5)
  BOTTOM w0.254: v1(36.5,59.5) 36.5,59.5 R48.2
UNNAMED_11_CAPCERSMDCL2_I338_B: length 2.6
  TOP w0.254: C11.2 45.07,47.75 v1(45.18,47.86)
  BOTTOM w0.254: IC4.2 45.9,47.55 arc(45.52,47.63) 45.2,47.84 v1(45.18,47.86) arc(45.39,48) 45.64,48.05 IC4.3
UNNAMED_11_CON20PSFP_I175_MODDE: length 2.8
  TOP w0.254: v1(33.2,48.72) 32.14,48.72
  BOTTOM w0.254: J4.6 32.41,49.1 arc(32.79,49.02) 33.11,48.81 v1(33.2,48.72)
UNNAMED_11_CON20PSFP_I175_RATES: length 2.7
  TOP w0.254: v1(33.2,49.99) 32.14,49.99
  BOTTOM w0.254: J4.7 33.11,49.9 v1(33.2,49.99)
UNNAMED_11_CON20PSFP_I175_VCCR: length 8.2
  TOP w0.254: L1.1 37.48,51.16 arc(37.86,51.09) 38.19,50.87 C64.2 38.43,50.58 38.08,50.22 arc(37.86,49.9) 37.79,49.51 v1(37.79,48.85) 38.99,48.85 C63.2
  BOTTOM w0.254: v1(37.79,48.85) 37.79,48.85 arc(37.95,48.74) 38.14,48.7 J4.15
UNNAMED_11_CON20PSFP_I175_VCCT: length 7.4
  TOP w0.254: v1(41.98,46.88) 41.25,46.88 arc(40.87,46.96) 40.55,47.17 C62.2 39.98,47.66 L2.2
  BOTTOM w0.254: J4.16 40.63,47.9 arc(40.84,47.86) 41.01,47.74 arc(41.13,47.56) 41.17,47.36 41.17,47.08 arc(41.23,46.94) 41.38,46.88 v1(41.98,46.88)
UNNAMED_11_CON20PSFP_I175_VEER: length 3.3
  TOP w0.254: 32.14,52.53 v1(33.2,52.53)
  BOTTOM w0.254: v1(33.2,52.53) 33.2,52.39 arc(33.13,52.05) 32.94,51.76 arc(32.65,51.57) 32.31,51.5 J4.9
UNNAMED_11_LED1_I225_B: length 1.6
  TOP w0.254: v1(43.5,55.97) LD1.2
  BOTTOM w0.254: R50.1 v1(43.5,55.97)
UNNAMED_11_LED1_I226_A: length 1.6
  TOP w0.254: v1(45,55.97) LD2.1
  BOTTOM w0.254: R51.1 v1(45,55.97)
UNNAMED_11_LED1_I227_A: length 1.6
  TOP w0.254: LD3.1 v1(46.5,55.97)
  BOTTOM w0.254: v1(46.5,55.97) R56.1
UNNAMED_11_RSMD0402_I232_B: length 1
  BOTTOM w0.254: R50.2 43.6,54.15 IC18.4
UNNAMED_11_RSMD0402_I233_B: length 1
  BOTTOM w0.254: R51.2 44.9,54.15 IC18.6
UNNAMED_11_RSMD0402_I312_A: length 2
  BOTTOM w0.254: R58.1 50.21,46.5 arc(49.83,46.58) 49.51,46.79 49.46,46.84 arc(49.23,46.99) IC4.12
UNNAMED_11_RSMD0402_I313_A: length 1.8
  BOTTOM w0.254: IC4.11 50.39,47.55 arc(50.58,47.59) R59.1

## Copper pours and planes (outline as drawn; the poured copper is in the pictures)
AVDD on BOTTOM: 8.48,9.05 20.48,9.05 20.48,17.45 8.48,17.45
GND on TOP: 47.73,21.7 52.13,21.7 52.13,31.2 47.73,31.2
GND on TOP: 15.23,23.1 28.23,23.1 28.23,36.1 15.23,36.1
GND on TOP: 45.43,12.5 49.83,12.5 49.83,22 45.43,22
GND on TOP: 5.78,30.6 10.18,30.6 10.18,40.1 5.78,40.1
GND on TOP: 29.18,28.05 34.03,28.05 34.03,33.35 29.18,33.35
GND on TOP: 2.6,62 4.6,62
GND on TOP: 2.6,8 4.6,8
GND on TOP, BOTTOM: 70.6,5 72.6,5
GND on BOTTOM: 36.9,43.35 40.8,43.35 40.8,53.1 36.9,53.1
GND on L2_GND: 22.84,0.64 22.84,1.6 22.36,2.76 21.2,3.24 12.14,3.24 12.14,3.7 11.66,4.86 10.5,5.34 0.64,5.34 0.64,65.06 26.1,65.06 27.26,65.54 27.74,66.7 27.74,68.36 75.86,68.36 75.86,2.37 68.9,2.37 68.9,0.64
P1V8 on TOP: 1.93,19 11.98,19 11.98,30.85 1.93,30.85
P1V8 on L4_SIGN: 2.48,13.85 37.98,13.85 37.98,40.1 2.48,40.1 ; 9 cut-outs
P3V3 on L5_PWR: 22.84,0.64 22.84,1.6 22.36,2.76 21.2,3.24 12.14,3.24 12.14,3.7 11.66,4.86 10.5,5.34 0.7,5.34 0.7,65.06 26.1,65.06 27.26,65.54 27.74,66.7 27.74,68.36 75.86,68.36 75.86,2.37 68.9,2.37 68.9,0.64
CVCC on TOP: 43.74,56.2 65.73,56.3 65.73,9 65.43,8.29 64.73,8 60.2,8 59.49,7.71 59.2,7 59.2,1.7 58.91,0.99 58.2,0.7 43.58,0.8 23.25,0.8 23.25,8.2 22.4,9.05 7.68,9.05 7.68,17.5 26.43,17.5 26.48,17.45 26.73,17.7 26.73,22.45 26.98,22.7 29.33,22.7 39.08,32.45 43.67,32.45 ; 7 cut-outs

Small or netless copper shapes (teardrops, artwork), in the pictures only: 259 on BOTTOM, 137 on TOP

## Text on the board
BOTTOM: 6
Ref Des/Silkscreen Bottom: GND | +1V8 | +3V3 | CVCC | SDA | SCL | I2C_CLK | I2C_SFP
User.Comments: DUNE Timing System "Reference Hardware" FMC , pc069 | 22/Aug/23 | B | DGC
TOP: 1
Ref Des/Silkscreen Top: GND       +1V8    +3V3    CVCC | - CLK_IN2 | + (FPGA) | Refclk | -   + | I2C_SFP | GND | SDA | SCL | INTR* | LOL* | I2C_FMC | PLL_LOL* | SFP_LOS* | 3V3 POWER | I2C_CLK | CLK OUT0 | GPIO_OUTPUT1 | GPIO_OUTPUT0 | CLK IN | +CLKI SFP- | GPIO_INPUT0 | GPIO_INPUT1 | -CLKO 2 + | - GPIO 2 + | - GPIO 3 + | DUNE | D. Cussans
L2_GND: 2
L3_SIGN: 3
L4_SIGN: 4
L5_PWR: 5
User.45: FIGURE | FINISHED_SIZE | 0.3 | 0.5 | 0.8128 | 0.8499 | 0.95 | 1.0 | 1.05 | 2.7 | 1.3 | 1.4 | DRILL CHART: TOP to BOTTOM | ALL UNITS ARE IN MILLIMETERS | PLATED | NON-PLATED | QTY | 535 | 6 | 2 | 1 | 9 | 19 | 10 | 4
